# Altium PCB roach2.PcbDoc (part 29 of 39) (continued)
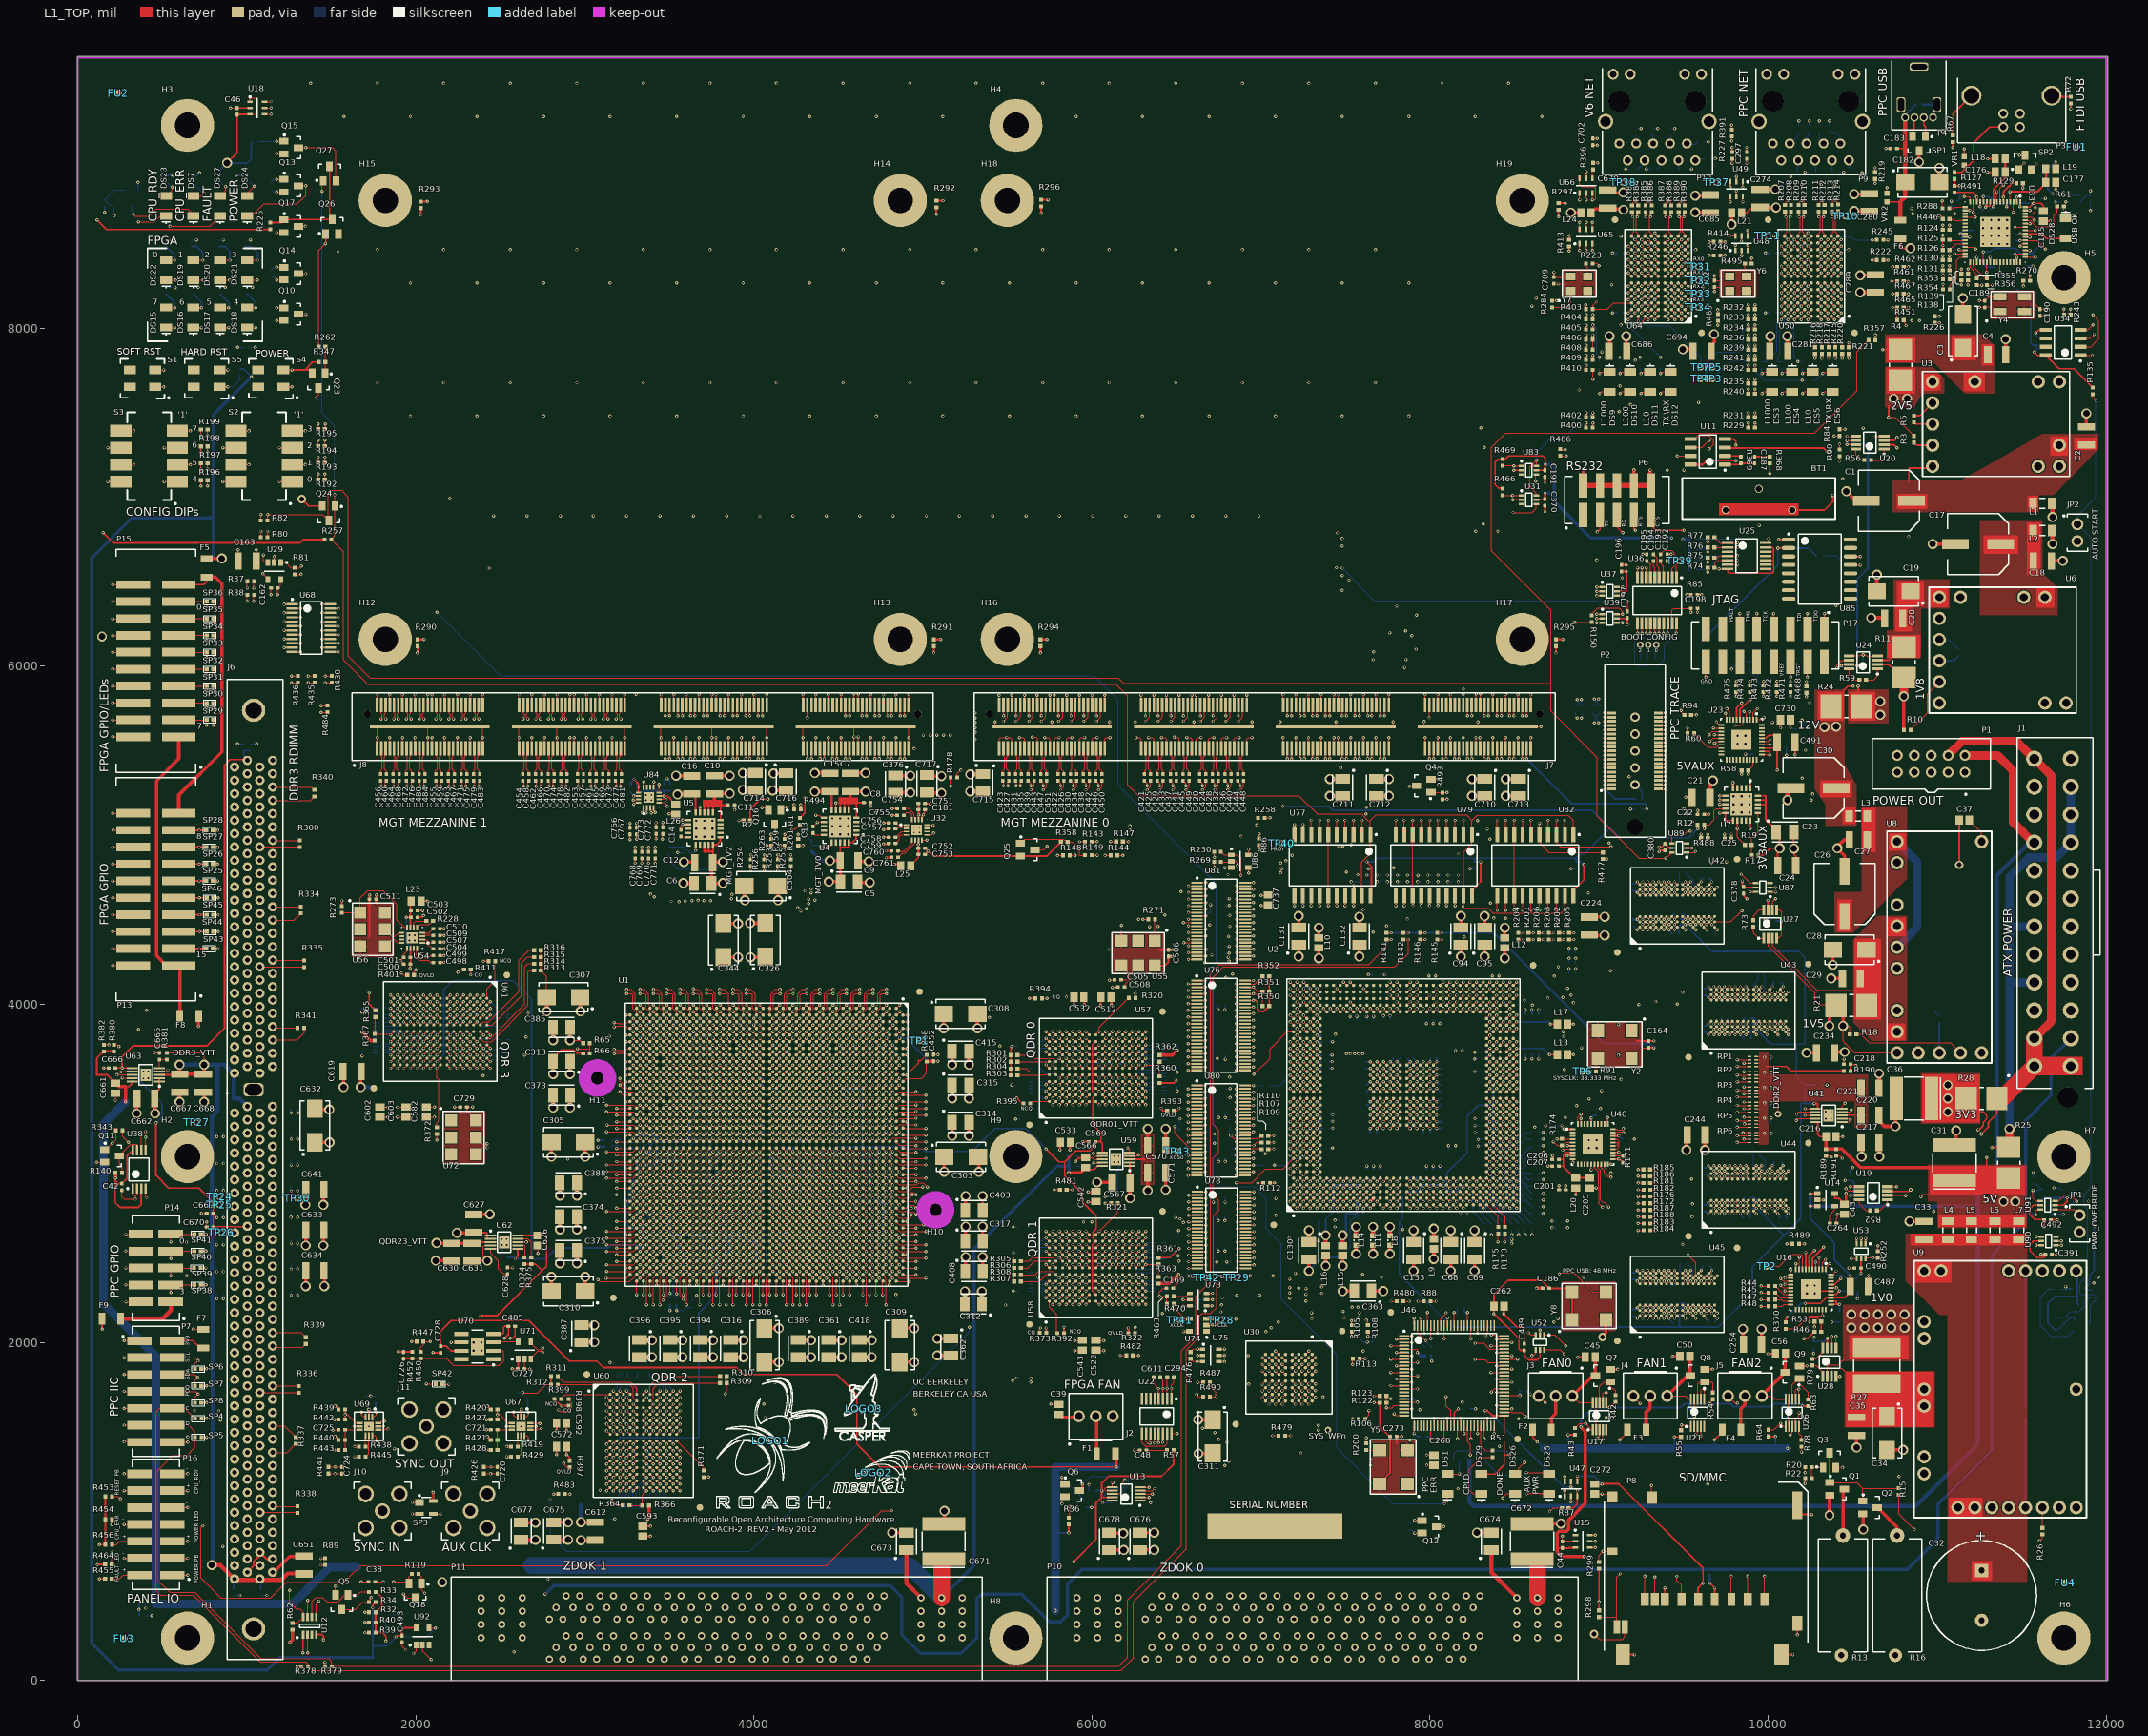
[diagram p0: L1_TOP view]
## Nets (pads, with @x,y where several pads share a name; then routed paths per layer and width w, separated by ;. In a path a pad name is that pad's centre, name@x,y a point inside that pad or via, vN(x,y) a via of type N, cw(c..) or ccw(c..) an arc to the next point about the centre after c; other vN are vias at no path point) (continued)
QDR01_VTT: C553.2 C554.2 C555.2 C556.2 C557.2 C558.2 C560.2 C561.2 C562.2 C563.2 C564.2 C565.2 C568.2 C570.2 C571.2 R114.2 R272.2 R274.2 R275.2 R276.2 R277.2 RP7.5 RP7.6 RP7.7 RP7.8 RP8.5 RP8.6 RP8.7 RP8.8 RP9.5 RP9.6 RP9.7 RP9.8 RP10.5 RP10.6 RP10.7 RP10.8 RP11.5 RP11.6 RP11.7 RP11.8 RP12.5 RP12.6 RP12.7 RP12.8 RP13.5 RP13.6 RP13.7 RP13.8 RP14.5 RP14.6 RP14.7 RP14.8 RP15.5 RP15.6 RP15.7 RP15.8 RP16.5 RP16.6 RP16.7 RP16.8 U59.3 U59.5 | length 2096.2
  L1_TOP w5: v2(6212.6,3149.61) 6223.7,3138.5 U59.5@6223.7,3122.36 6185.35,3122.36 6182.99,3120 6184.72,3118.27 6184.72,3094.08 6195.81,3082.99 U59.3@6223.7,3082.99
  L1_TOP w10: U59.3@6223.7,3082.99 6331.02,3082.99 6338.58,3090.55 ; C571.2@6329.84,3002.99 C571.2@6329.84,3034.96 ; C570.2@6329.84,3131.02 C570.2@6329.84,3162.99
  L1_TOP w20: C571.2@6329.84,3002.99 v5(6329.84,2897.99) v5@6332.99,2894.84 ; C570.2@6329.84,3162.99 v5(6329.84,3262.99)
  L16_BOT w5: 5626.14,2303.46 RP12.5@5653.31,2303.46 ; 5626.14,2323.15 RP12.6@5653.31,2323.15 ; 5626.14,2342.83 RP12.7@5653.31,2342.83 ; 5626.14,2362.52 RP12.8@5653.31,2362.52 ; 5626.14,2412.99 R277.2@5653.31,2412.99 ; 5626.14,2482.99 R276.2@5653.31,2482.99 ; 5626.14,2543.46 RP16.5@5653.31,2543.46 ; 5626.14,2563.15 RP16.6@5653.31,2563.15 ; 5626.14,2582.83 RP16.7@5653.31,2582.83 ; 5626.14,2602.52 RP16.8@5653.31,2602.52 ; 5626.14,3483.46 RP9.5@5653.31,3483.46 ; 5626.14,3503.15 RP9.6@5653.31,3503.15 ; 5626.14,3522.83 RP9.7@5653.31,3522.83 ; 5626.14,3542.52 RP9.8@5653.31,3542.52 ; 5626.14,3622.99 R275.2@5653.31,3622.99 ; 5626.14,3662.99 R272.2@5653.31,3662.99 ; 5626.14,3723.46 RP14.5@5653.31,3723.46 ; 5626.14,3743.15 RP14.6@5653.31,3743.15 ; 5626.14,3762.83 RP14.7@5653.31,3762.83 ; 5626.14,3782.52 RP14.8@5653.31,3782.52 ; C568.2@6152.68,2862.99 6152.68,3029.73 6173.68,3050.73 6173.68,3110.69 v2(6212.6,3149.61) ; RP11.8@6412.68,2303.46 6439.84,2303.46 ; RP11.7@6412.68,2323.15 6439.84,2323.15 ; RP11.6@6412.68,2342.83 6439.84,2342.83 ; RP11.5@6412.68,2362.52 6439.84,2362.52 ; RP15.8@6412.68,2393.46 6439.84,2393.46 ; RP15.7@6412.68,2413.15 6439.84,2413.15 ; RP15.6@6412.68,2432.83 6439.84,2432.83 ; RP15.5@6412.68,2452.52 6439.84,2452.52 ; R274.2@6412.68,2492.99 6439.84,2492.99 ; RP10.8@6412.68,2533.46 6439.84,2533.46 ; RP10.7@6412.68,2553.15 6439.84,2553.15 ; RP10.6@6412.68,2572.83 6439.84,2572.83 ; RP10.5@6412.68,2592.52 6439.84,2592.52 ; RP8.8@6412.68,3473.46 6439.84,3473.46 ; RP8.7@6412.68,3493.15 6439.84,3493.15 ; RP8.6@6412.68,3512.83 6439.84,3512.83 ; RP8.5@6412.68,3532.52 6439.84,3532.52 ; RP13.8@6412.68,3573.46 6439.84,3573.46 ; RP13.7@6412.68,3593.15 6439.84,3593.15 ; RP13.6@6412.68,3612.83 6439.84,3612.83 ; RP13.5@6412.68,3632.52 6439.84,3632.52 ; R114.2@6412.68,3672.99 6439.84,3672.99 ; RP7.8@6412.68,3713.46 6439.84,3713.46 ; RP7.7@6412.68,3733.15 6439.84,3733.15 ; RP7.6@6412.68,3752.83 6439.84,3752.83 ; RP7.5@6412.68,3772.52 6439.84,3772.52
QDR2.A0: RP19.1 U1.AK37 U60.B4 | length 1444.4
  L1_TOP w5: v1(3248.03,1673.23) U60.B4@3267.72,1653.54 ; v1(3719.57,2537.83) U1.AK37@3739.26,2557.52
  L12_S w3.8: v1(3248.03,1673.23) 3231.99,1689.27 3231.99,1753.99 3270.99,1792.99 3270.99,2216.23 3270.9,2216.32 3270.9,2229.34 3270.99,2229.43 3270.99,2268.79 3320.19,2317.99 3539.99,2317.99 3577.69,2355.69 3577.69,2536.13 3595,2553.43 3703.97,2553.43 v1(3719.57,2537.83)
  L16_BOT w5: v1(3248.03,1673.23) 3264.23,1689.43 3264.23,1719.31 3252.52,1731.02 RP19.1@3252.52,1753.31
QDR2.A1: RP24.3 U1.AG34 U60.B8 | length 1612.5
  L1_TOP w5: U60.B8@3425.2,1653.54 v1(3444.88,1673.23) ; v1(3837.68,2655.94) U1.AG34@3857.37,2675.63
  L12_S w3.8: v1(3444.88,1673.23) 3427.12,1690.99 3350.99,1690.99 3328.99,1712.99 3328.99,2225.99 3350.99,2247.99 3390.99,2247.99 3448.99,2305.99 3553.99,2305.99 3585.86,2337.86 3585.86,2504.92 3603.17,2522.23 3726.04,2522.23 3735.17,2531.37 3735.17,2576.16 3759.99,2600.97 3804.78,2600.97 3813.91,2610.11 3813.91,2632.17 v1(3837.68,2655.94)
  L16_BOT w5: v1(3444.88,1673.23) 3463.15,1691.5 RP24.3@3463.15,1753.31
QDR2.A2: R282.1 U1.AL40 U60.C5 | length 1302
  L1_TOP w5: v1(3287.4,1633.86) U60.C5@3307.09,1614.17 ; v1(3680.2,2419.72) U1.AL40@3699.89,2439.41
  L14_S w3.8: v1(3287.4,1633.86) 3335.99,1682.45 3335.99,2051.99 3365.99,2081.99 3624.99,2081.99 3695.8,2152.8 3695.8,2229.34 3684,2241.14 3684,2408.5 3676.49,2416.01 v1(3680.2,2419.72)
  L16_BOT w5: v1(3287.4,1633.86) 3312.99,1659.45 R282.1@3312.99,1753.31
QDR2.A3: R280.1 U1.AK39 U60.C7 | length 2280.4
  L1_TOP w5: U60.C7@3385.83,1614.17 v1(3405.51,1633.86) ; v1(3719.57,2459.09) U1.AK39@3739.26,2478.78
  L12_S w3.8: v1(3405.51,1633.86) 3425.64,1653.99 3591.32,1653.99 3627.32,1689.99 3627.32,1713.99 ; 3627.32,1753.59 3551.72,1753.59 ; 3627.32,1771.19 3551.72,1771.19 ; v1(3719.57,2459.09) 3703.97,2443.49 3672.49,2443.49 3656.43,2427.43 3656.43,2373.89 3644.92,2362.38 3644.92,2288.39 3625.23,2268.7 3625.23,2216.41 3627.32,2214.32 3627.32,1792.99 ; 3547.32,1740.39 ccw(c3551.72,1740.39) 3551.72,1735.99 ; 3547.32,1740.39 cw(c3551.72,1740.39) 3551.72,1744.79 ; 3547.32,1740.39 ccw(c3551.72,1740.39) 3551.72,1735.99 ; 3547.32,1740.39 cw(c3551.72,1740.39) 3551.72,1744.79 ; 3547.32,1757.99 ccw(c3551.72,1757.99) 3551.72,1753.59 ; 3547.32,1757.99 ccw(c3551.72,1757.99) 3551.72,1753.59 ; 3547.32,1757.99 cw(c3551.72,1757.99) 3551.72,1762.39 ; 3547.32,1757.99 cw(c3551.72,1757.99) 3551.72,1762.39 ; 3547.32,1775.59 ccw(c3551.72,1775.59) 3551.72,1771.19 ; 3547.32,1775.59 cw(c3551.72,1775.59) 3551.72,1779.99 ; 3547.32,1775.59 cw(c3551.72,1775.59) 3551.72,1779.99 ; 3547.32,1775.59 ccw(c3551.72,1775.59) 3551.72,1771.19 ; 3551.72,1735.99 3647.79,1735.99 ; 3551.72,1744.79 3647.79,1744.79 ; 3551.72,1753.59 3647.79,1753.59 ; 3551.72,1762.39 3647.79,1762.39 ; 3551.72,1771.19 3647.79,1771.19 ; 3551.72,1779.99 3647.79,1779.99 ; 3575.8,1722.79 ccw(c3580.2,1722.79) 3580.2,1718.39 ; 3575.8,1722.79 cw(c3580.2,1722.79) 3580.2,1727.19 ; 3575.8,1722.79 ccw(c3580.2,1722.79) 3580.2,1718.39 ; 3575.8,1722.79 cw(c3580.2,1722.79) 3580.2,1727.19 ; 3580.2,1718.39 3622.92,1718.39 ; 3580.2,1727.19 3647.79,1727.19 ; 3622.92,1718.39 cw(c3622.92,1713.99) 3627.32,1713.99 ; 3622.92,1718.39 cw(c3622.92,1713.99) 3627.32,1713.99 ; 3627.32,1792.99 ccw(c3631.52,1792.99) 3631.52,1788.79 ; 3627.32,1792.99 ccw(c3631.52,1792.99) 3631.52,1788.79 ; 3631.52,1788.79 3647.79,1788.79 ; 3647.79,1727.19 ccw(c3647.79,1731.59) 3652.19,1731.59 ; 3647.79,1727.19 ccw(c3647.79,1731.59) 3652.19,1731.59 ; 3647.79,1735.99 cw(c3647.79,1731.59) 3652.19,1731.59 ; 3647.79,1735.99 cw(c3647.79,1731.59) 3652.19,1731.59 ; 3647.79,1744.79 ccw(c3647.79,1749.19) 3652.19,1749.19 ; 3647.79,1744.79 ccw(c3647.79,1749.19) 3652.19,1749.19 ; 3647.79,1753.59 cw(c3647.79,1749.19) 3652.19,1749.19 ; 3647.79,1753.59 cw(c3647.79,1749.19) 3652.19,1749.19 ; 3647.79,1762.39 ccw(c3647.79,1766.79) 3652.19,1766.79 ; 3647.79,1762.39 ccw(c3647.79,1766.79) 3652.19,1766.79 ; 3647.79,1771.19 cw(c3647.79,1766.79) 3652.19,1766.79 ; 3647.79,1771.19 cw(c3647.79,1766.79) 3652.19,1766.79 ; 3647.79,1779.99 ccw(c3647.79,1784.39) 3652.19,1784.39 ; 3647.79,1779.99 ccw(c3647.79,1784.39) 3652.19,1784.39 ; 3647.79,1788.79 cw(c3647.79,1784.39) 3652.19,1784.39 ; 3647.79,1788.79 cw(c3647.79,1784.39) 3652.19,1784.39
  L16_BOT w5: R280.1@3382.99,1753.31 3382.99,1656.38 v1(3405.51,1633.86)
QDR2.A4: RP23.2 U1.AJ41 U60.N5 | length 1675.3
  L1_TOP w5: v1(3287.4,1200.79) U60.N5@3307.09,1220.47 ; v2(3758.94,2222.87) 3758.94,2380.35 U1.AJ41@3778.63,2400.04
  L14_S w3.8: v1(3287.4,1200.79) 3287.4,1205.4 3303.99,1221.99 3303.99,1399.78 3364.99,1460.78 3569.46,1460.78 3707.99,1599.31 3707.99,2013.99 3758.94,2064.94 v2(3758.94,2222.87)
  L16_BOT w5: v1(3287.4,1200.79) 3303.6,1184.59 3303.6,1083.13 RP23.2@3303.15,1082.68
QDR2.A5: RP23.3 U1.AH41 U60.N6 | length 1720.5
  L1_TOP w5: U60.N6@3346.46,1220.47 v1(3366.14,1200.79) ; v2(3798.31,2222.87) 3798.31,2380.35 U1.AH41@3818,2400.04
  L14_S w3.8: v1(3366.14,1200.79) 3333.99,1232.94 3333.99,1398.99 3374.99,1439.99 3615.99,1439.99 3745.99,1569.99 3745.99,1829.99 3801.22,1885.22 3801.22,2219.97 v2(3798.31,2222.87)
  L16_BOT w5: RP23.3@3322.83,1082.68 3322.83,1157.48 v1(3366.14,1200.79)
QDR2.A6: RP23.4 U1.AF39 U60.N7 | length 1816.4
  L1_TOP w5: U60.N7@3385.83,1220.47 v1(3405.51,1200.79) ; v1(3877.05,2459.09) U1.AF39@3896.74,2478.78
  L14_S w3.8: v1(3405.51,1200.79) 3386.99,1219.31 3386.99,1419.99 3395.99,1428.99 3624.99,1428.99 3764.99,1568.99 3764.99,1829.99 3822.08,1887.08 3822.08,2268.7 3861.45,2308.07 3861.45,2426.18 3877.05,2441.78 v1(3877.05,2459.09)
  L16_BOT w5: RP23.4@3342.52,1082.68 3342.52,1160.7 3359.43,1177.62 3382.34,1177.62 v1(3405.51,1200.79)
QDR2.A7: RP18.2 U1.AG39 U60.P4 | length 1897.6
  L1_TOP w5: v1(3248.03,1161.42) U60.P4@3267.72,1181.1 ; v1(3837.68,2459.09) U1.AG39@3857.37,2478.78
  L12_S w3.8: v1(3248.03,1161.42) 3258.75,1172.14 3258.75,1172.75 3269.99,1183.99 3269.99,1251.99 3281.93,1263.93 3593.93,1263.93 3785,1455 3785,1889.9 3793.42,1898.32 3793.42,1927.67 3785,1936.09 3785,1989.9 3793.42,1998.32 3793.42,2027.67 3785,2036.09 3785,2087 3789.99,2091.99 ; 3789.99,2089.99 3789.99,2091.99 ; 3796.99,2315.99 3796.99,2317.99 ; v1(3837.68,2459.09) 3818.99,2440.4 3818.99,2399.99 3796.99,2377.99 3796.99,2317.99 ; 3789.99,2091.99 3789.99,2201.86 3782.71,2209.13 3782.71,2229.34 3789.99,2236.61 3789.99,2244.99 3802.03,2257.03 3802.03,2312.95 3796.99,2317.99
  L16_BOT w5: RP18.2@3223.15,1082.68 3224.86,1084.39 3224.86,1138.25 v1(3248.03,1161.42)
QDR2.A8: RP18.4 U1.AJ42 U60.P5 | length 1669.9
  L1_TOP w5: v1(3287.4,1161.42) U60.P5@3307.09,1181.1 ; v2(3778.63,2281.93) U1.AJ42@3778.63,2360.67
  L14_S w3.8: v1(3287.4,1161.42) 3319.99,1194.01 3319.99,1397.99 3372.99,1450.99 3592.99,1450.99 3722.56,1580.56 3722.56,1943.14 3756.99,1977.56 3772.67,1977.56 3793.42,1998.32 3793.42,2027.67 3778.63,2042.46 v2(3778.63,2281.93)
  L16_BOT w5: RP18.4@3262.52,1082.68 3262.52,1100.52 3268.99,1106.99 3268.99,1143.01 v1(3287.4,1161.42)
QDR2.A9: RP17.1 U1.AG41 U60.P7 | length 1657
  L1_TOP w5: U60.P7@3385.83,1181.1 v1(3405.51,1161.42) ; v2(3837.68,2222.87) 3837.68,2380.35 U1.AG41@3857.37,2400.04
  L14_S w3.8: v1(3405.51,1161.42) 3424.99,1180.9 3424.99,1409.99 3431.99,1416.99 3631.99,1416.99 3786.99,1571.99 3786.99,1820.99 3837.68,1871.68 v2(3837.68,2222.87)
  L16_BOT w5: v1(3405.51,1161.42) 3423.46,1143.46 RP17.1@3423.46,1082.68
QDR2.A10: RP17.3 U1.AG36 U60.P8 | length 1912.2
  L1_TOP w5: U60.P8@3425.2,1181.1 v1(3444.88,1161.42) ; v1(3837.68,2577.2) U1.AG36@3857.37,2596.89
  L12_S w3.8: v1(3444.88,1161.42) 3455.65,1172.18 3456.18,1172.18 3464.99,1180.99 3593.99,1180.99 3860,1447 3860,2222.62 3833.99,2248.63 3833.99,2295.99 3892.65,2354.65 3892.65,2583.67 3883.52,2592.8 3870.59,2592.8 3854.99,2577.2 v1(3837.68,2577.2)
  L16_BOT w5: v1(3444.88,1161.42) 3462.83,1143.46 RP17.3@3462.83,1082.68
QDR2.A11: RP24.2 U1.AK42 U60.A9 | length 2185.2
  L1_TOP w5: U60.A9@3464.57,1692.91 v1(3484.25,1712.6) ; v2(3739.26,2281.93) U1.AK42@3739.26,2360.67
  L14_S w3.8: v1(3484.25,1712.6) 3484.25,1808.25 3495.99,1819.99 3499.99,1819.99 ; v2(3739.26,2281.93) 3725.99,2268.66 3725.99,2071.99 3646.99,1992.99 3646.99,1846.99 3645.99,1846.99 3618.99,1819.99 3615.19,1819.99 ; 3499.99,1819.99 ccw(c3499.99,1826.39) 3506.39,1826.39 ; 3499.99,1819.99 ccw(c3499.99,1826.39) 3506.39,1826.39 ; 3506.39,1826.39 3506.39,1893.59 ; 3506.39,1893.59 cw(c3512.79,1893.59) 3512.79,1899.99 ; 3506.39,1893.59 cw(c3512.79,1893.59) 3512.79,1899.99 ; 3512.79,1899.99 cw(c3512.79,1893.59) 3519.19,1893.59 ; 3512.79,1899.99 cw(c3512.79,1893.59) 3519.19,1893.59 ; 3519.19,1746.39 ccw(c3525.59,1746.39) 3525.59,1739.99 ; 3519.19,1746.39 ccw(c3525.59,1746.39) 3525.59,1739.99 ; 3519.19,1746.39 3519.19,1893.59 ; 3525.59,1739.99 ccw(c3525.59,1746.39) 3531.99,1746.39 3531.99,1893.59 ; 3531.99,1893.59 cw(c3538.39,1893.59) 3538.39,1899.99 ; 3531.99,1893.59 cw(c3538.39,1893.59) 3538.39,1899.99 ; 3538.39,1899.99 cw(c3538.39,1893.59) 3544.79,1893.59 ; 3538.39,1899.99 cw(c3538.39,1893.59) 3544.79,1893.59 ; 3544.79,1746.39 ccw(c3551.19,1746.39) 3551.19,1739.99 ; 3544.79,1746.39 ccw(c3551.19,1746.39) 3551.19,1739.99 ; 3544.79,1746.39 3544.79,1893.59 ; 3551.19,1739.99 ccw(c3551.19,1746.39) 3557.59,1746.39 3557.59,1873.58 ; 3557.59,1873.58 cw(c3563.99,1873.58) 3563.99,1879.98 ; 3557.59,1873.58 cw(c3563.99,1873.58) 3563.99,1879.98 ; 3563.99,1879.98 cw(c3563.99,1873.58) 3570.39,1873.58 ; 3563.99,1879.98 cw(c3563.99,1873.58) 3570.39,1873.58 ; 3570.39,1746.39 ccw(c3576.79,1746.39) 3576.79,1739.99 ; 3570.39,1746.39 ccw(c3576.79,1746.39) 3576.79,1739.99 ; 3570.39,1746.39 3570.39,1873.58 ; 3576.79,1739.99 ccw(c3576.79,1746.39) 3583.19,1746.39 3583.19,1872.81 ; 3583.19,1872.81 cw(c3589.59,1872.81) 3589.59,1879.21 ; 3583.19,1872.81 cw(c3589.59,1872.81) 3589.59,1879.21 ; 3589.59,1879.21 cw(c3589.59,1872.81) 3595.99,1872.81 ; 3589.59,1879.21 cw(c3589.59,1872.81) 3595.99,1872.81 ; 3595.99,1746.39 ccw(c3602.39,1746.39) 3602.39,1739.99 ; 3595.99,1746.39 ccw(c3602.39,1746.39) 3602.39,1739.99 ; 3595.99,1746.39 3595.99,1872.81 ; 3602.39,1739.99 ccw(c3602.39,1746.39) 3608.79,1746.39 3608.79,1813.59 ; 3608.79,1813.59 cw(c3615.19,1813.59) 3615.19,1819.99 ; 3608.79,1813.59 cw(c3615.19,1813.59) 3615.19,1819.99
  L16_BOT w5: RP24.2@3482.83,1753.31 3482.83,1714.02 v1(3484.25,1712.6)
QDR2.A12: RP18.1 U1.AJ40 U60.R3 | length 1803
  L1_TOP w5: v1(3208.66,1122.05) U60.R3@3228.35,1141.73 ; v1(3758.94,2419.72) U1.AJ40@3778.63,2439.41
  L12_S w3.8: v1(3208.66,1122.05) 3224.26,1137.65 3224.26,1167.88 3223.99,1168.15 3223.99,1194.06 3224.26,1194.32 3224.26,1207.25 3223.99,1207.52 3223.99,1233.43 3224.26,1233.69 3224.26,1246.62 3223.99,1246.89 3223.99,1272.8 3224.26,1273.06 3224.26,1285.99 3223.99,1286.26 3223.99,1312.17 3224.26,1312.43 3224.26,1325.36 3223.99,1325.63 3223.99,1351.54 3224.26,1351.8 3224.26,1364.73 3223.99,1365 3223.99,1390.91 3224.26,1391.17 3224.26,1404.1 3223.99,1404.37 3223.99,1409.99 3259.99,1445.99 3564.99,1445.99 3709.99,1590.99 3709.99,2200.99 3758.94,2249.94 v1(3758.94,2419.72)
  L16_BOT w5: RP18.1@3203.46,1082.68 3203.46,1099.46 3208.66,1104.66 v1(3208.66,1122.05)
QDR2.A13: RP18.3 U1.AH39 U60.R4 | length 1900.9
  L1_TOP w5: v1(3248.03,1122.05) U60.R4@3267.72,1141.73 ; v1(3798.31,2459.09) U1.AH39@3818,2478.78
  L12_S w3.8: v1(3248.03,1122.05) 3248.03,1136.95 3232.43,1152.55 3232.43,1404.1 3258.32,1429.99 3583.99,1429.99 3739.44,1585.44 3739.44,1881.44 3722.56,1898.32 3722.56,2047.56 3747.99,2072.99 3747.99,2102.99 ; 3747.99,2099.99 3747.99,2102.99 ; v1(3798.31,2459.09) 3798.31,2441.78 3775.99,2419.46 3775.99,2306.63 3794.23,2288.39 3794.23,2266.23 3770.99,2242.99 3770.99,2232.89 3774.54,2229.34 3774.54,2211.54 3747.99,2184.99 3747.99,2102.99
  L16_BOT w5: RP18.3@3242.83,1082.68 3242.83,1097.83 3248.03,1103.03 v1(3248.03,1122.05)
QDR2.A14: RP23.1 U1.AG38 U60.R5 | length 1858.9
  L1_TOP w5: v1(3287.4,1122.05) U60.R5@3307.09,1141.73 ; v1(3837.68,2498.46) U1.AG38@3857.37,2518.15
  L12_S w3.8: v1(3287.4,1122.05) 3311.99,1146.64 3311.99,1179.99 3351.99,1219.99 3595.99,1219.99 3795,1419 3795,1730 3805,1740 3805,2089 3815.99,2099.99 ; 3815.99,2097.99 3815.99,2099.99 ; v1(3837.68,2498.46) 3837.68,2481.15 3853.28,2465.55 3853.28,2340.28 3815.99,2302.99 3815.99,2099.99
  L16_BOT w5: RP23.1@3283.46,1082.68 3283.46,1098.46 3287.4,1102.4 v1(3287.4,1122.05)
QDR2.A15: R278.1 U1.AG42 U60.R7 | length 1612.8
  L1_TOP w5: U60.R7@3385.83,1141.73 v1(3405.51,1122.05) ; v2(3857.37,2281.93) U1.AG42@3857.37,2360.67
  L14_S w3.8: v1(3405.51,1122.05) 3421.46,1137.99 3449.99,1137.99 3463.99,1151.99 3463.99,1366.99 3478.99,1381.99 3638.99,1381.99 3857.37,1600.37 v2(3857.37,2281.93)
  L16_BOT w5: R278.1@3382.99,1082.68 3382.99,1099.53 v1(3405.51,1122.05)
QDR2.A16: RP17.2 U1.AF40 U60.R8 | length 1669.8
  L1_TOP w5: U60.R8@3425.2,1141.73 v1(3444.88,1122.05) ; v1(3877.05,2419.72) U1.AF40@3896.74,2439.41
  L14_S w3.8: v1(3444.88,1122.05) 3462.19,1122.05 3477.79,1137.65 3484.65,1137.65 3504.99,1157.99 3504.99,1328.99 3515.99,1339.99 3635.99,1339.99 3892.65,1596.65 3892.65,2229.34 3877.05,2244.94 v1(3877.05,2419.72)
  L16_BOT w5: RP17.2@3443.15,1082.68 3443.15,1120.31 v1(3444.88,1122.05)
QDR2.A17: RP17.4 U1.AJ35 U60.R9 | length 2045.3
  L1_TOP w5: U60.R9@3464.57,1141.73 v1(3484.25,1122.05) ; v1(3758.94,2616.57) U1.AJ35@3778.63,2636.26
  L12_S w3.8: v1(3484.25,1122.05) 3507.2,1144.99 3599.99,1144.99 3880,1425 3880,1797 3892.65,1809.65 3892.65,2229.34 3875.99,2246 3875.99,2252.99 ; v1(3758.94,2616.57) 3777.36,2634.99 3799.42,2634.99 3822.08,2657.65 3822.08,2662.41 3831.22,2671.54 3883.52,2671.54 3900.82,2654.24 3900.82,2332.82 3875.99,2307.99 3875.99,2252.99 ; 3875.99,2250.99 3875.99,2252.99
  L16_BOT w5: RP17.4@3482.52,1082.68 3482.52,1120.31 v1(3484.25,1122.05)
QDR2.A18: RP19.3 U1.AK38 U60.A3 | length 1331.3
  L1_TOP w5: v1(3208.66,1712.6) U60.A3@3228.35,1692.91 ; v1(3719.57,2498.46) U1.AK38@3739.26,2518.15
  L14_S w3.8: v1(3208.66,1712.6) 3208.66,2367.66 3284.49,2443.49 3686.67,2443.49 3695.8,2452.63 3695.8,2474.69 v1(3719.57,2498.46)
  L16_BOT w5: v1(3208.66,1712.6) 3208.66,1725.66 3213.15,1730.15 RP19.3@3213.15,1753.31
QDR2.A19: RP24.1 U1.AF37 U60.A10 | length 2074
  L1_TOP w5: U60.A10@3503.94,1692.91 v1(3523.62,1712.6) ; v1(3877.05,2537.83) U1.AF37@3896.74,2557.52
  L12_S w3.8: v1(3523.62,1712.6) 3519.99,1716.23 3523.99,1720.23 3523.99,2086.99 ; v1(3877.05,2537.83) 3856.21,2516.99 3751.99,2516.99 3735.17,2500.17 3735.17,2491.82 3734.99,2491.64 3734.99,2484.99 3730.99,2480.99 3632.99,2480.99 3625.23,2473.23 3625.23,2377.23 3604.99,2356.99 3604.99,2251.99 3559.99,2206.99 3531.99,2206.99 3523.99,2198.99 3523.99,2138.99 ; 3443.99,2103.79 ccw(c3448.39,2103.79) 3448.39,2099.39 ; 3443.99,2103.79 ccw(c3448.39,2103.79) 3448.39,2099.39 ; 3443.99,2103.79 cw(c3448.39,2103.79) 3448.39,2108.19 ; 3443.99,2103.79 cw(c3448.39,2103.79) 3448.39,2108.19 ; 3443.99,2121.39 ccw(c3448.39,2121.39) 3448.39,2116.99 ; 3443.99,2121.39 ccw(c3448.39,2121.39) 3448.39,2116.99 ; 3443.99,2121.39 cw(c3448.39,2121.39) 3448.39,2125.79 ; 3443.99,2121.39 cw(c3448.39,2121.39) 3448.39,2125.79 ; 3448.39,2099.39 3599.59,2099.39 ; 3448.39,2108.19 3599.59,2108.19 ; 3448.39,2116.99 3599.59,2116.99 ; 3448.39,2125.79 3599.59,2125.79 ; 3523.99,2086.99 cw(c3527.59,2086.99) 3527.59,2090.59 ; 3523.99,2086.99 cw(c3527.59,2086.99) 3527.59,2090.59 ; 3523.99,2138.99 ccw(c3528.39,2138.99) 3528.39,2134.59 ; 3523.99,2138.99 ccw(c3528.39,2138.99) 3528.39,2134.59 ; 3527.59,2090.59 3599.59,2090.59 ; 3528.39,2134.59 3599.59,2134.59 ; 3599.59,2090.59 ccw(c3599.59,2094.99) 3603.99,2094.99 ; 3599.59,2090.59 ccw(c3599.59,2094.99) 3603.99,2094.99 ; 3599.59,2099.39 cw(c3599.59,2094.99) 3603.99,2094.99 ; 3599.59,2099.39 cw(c3599.59,2094.99) 3603.99,2094.99 ; 3599.59,2108.19 ccw(c3599.59,2112.59) 3603.99,2112.59 ; 3599.59,2108.19 ccw(c3599.59,2112.59) 3603.99,2112.59 ; 3599.59,2116.99 cw(c3599.59,2112.59) 3603.99,2112.59 ; 3599.59,2116.99 cw(c3599.59,2112.59) 3603.99,2112.59 ; 3599.59,2125.79 ccw(c3599.59,2130.19) 3603.99,2130.19 ; 3599.59,2125.79 ccw(c3599.59,2130.19) 3603.99,2130.19 ; 3599.59,2134.59 cw(c3599.59,2130.19) 3603.99,2130.19 ; 3599.59,2134.59 cw(c3599.59,2130.19) 3603.99,2130.19
  L16_BOT w5: RP24.1@3502.52,1753.31 3502.52,1733.7 v1(3523.62,1712.6)
QDR2.A20: RP19.4 U1.AL39 U60.A2 | length 1341.3
  L1_TOP w5: v1(3169.29,1712.6) U60.A2@3188.98,1692.91 ; v1(3680.2,2459.09) U1.AL39@3699.89,2478.78
  L14_S w3.8: v1(3169.29,1712.6) 3169.29,2396.29 3249.32,2476.32 3662.97,2476.32 v1(3680.2,2459.09)
  L16_BOT w5: v1(3169.29,1712.6) 3193.46,1736.77 RP19.4@3193.46,1753.31
QDR2.BWN0: R309.1 U60.B7 | length 490.4
  L1_TOP w5: U60.B7@3385.83,1653.54 3405.51,1673.23 3405.51,1727.52 3437.99,1760 R309.1@3800.32,1760
QDR2.BWN1: R310.1 U60.A7 | length 488.4
  L1_TOP w5: U60.A7@3385.83,1692.6 3385.83,1742.83 3442.99,1800 R310.1@3800.32,1800
QDR2.BWN2: R311.1 U60.A5 | length 532.6
  L1_TOP w5: R311.1@2839.68,1800 2874.68,1765 3270,1765 3307.09,1727.91 U60.A5@3307.09,1692.6
QDR2.BWN3: R312.1 U60.B5 | length 540.6
  L1_TOP w5: R312.1@2839.68,1750 2841.34,1751.65 3263.35,1751.65 3287.4,1727.6 3287.4,1673.23 U60.B5@3307.09,1653.54
QDR2.D0: U1.AA41 U60.P10 | length 1562.3
  L1_TOP w5: U60.P10@3503.94,1181.1 v1(3523.62,1161.42) ; v2(4073.41,2222.29) 4073.41,2379.77 U1.AA41@4093.09,2399.46
  L5_S w3.8: v1(3523.62,1161.42) 3543.05,1141.99 3579.99,1141.99 4020.99,1582.99 4020.99,1921.99 4073.41,1974.41 v2(4073.41,2222.29)
QDR2.D1: U1.AB41 U60.N11 | length 1446.3
  L1_TOP w5: U60.N11@3543.31,1220.47 v1(3562.99,1200.79) ; v2(4034.53,2222.87) 4034.53,2380.35 U1.AB41@4054.22,2400.04
  L5_S w3.8: v1(3562.99,1200.79) 3563.2,1200.99 3589.99,1200.99 3977.99,1588.99 3977.99,1934.99 4034.53,1991.53 v2(4034.53,2222.87)
QDR2.D2: U1.AB36 U60.M11 | length 1699.2
  L1_TOP w5: U60.M11@3543.31,1259.84 v1(3562.99,1240.16) ; v1(4034.53,2577.2) U1.AB36@4054.22,2596.89
  L5_S w3.8: v1(3562.99,1240.16) 3602.16,1240.16 3947.99,1585.99 3947.99,1843.99 3902.56,1889.42 3902.56,1927.67 3925.89,1950.99 3964.99,1950.99 4018.93,2004.93 4018.93,2246.93 4032.99,2260.99 4032.99,2356.99 4067.99,2391.99 4067.99,2543.75 v1(4034.53,2577.2)
QDR2.D3: U1.AB33 U60.K10 | length 1720.6
  L1_TOP w5: U60.K10@3503.94,1338.58 v1(3523.62,1318.9) ; v1(4034.53,2695.31) U1.AB33@4054.22,2715
  L5_S w3.8: v1(3523.62,1318.9) 3539.59,1302.93 3594.93,1302.93 3860,1568 3860,1942 3898.99,1980.99 3898.99,2054.99 3971.39,2127.39 3971.39,2241.39 3991.08,2261.08 3991.08,2288.39 3975.99,2303.48 3975.99,2374.99 4010.76,2409.76 4010.76,2502.99 4018.93,2511.16 4018.93,2679.71 v1(4034.53,2695.31)
QDR2.D4: U1.AD42 U60.J11 | length 1233.1
  L1_TOP w5: U60.J11@3543.31,1377.95 v1(3562.99,1358.27) ; v2(3975.48,2281.93) U1.AD42@3975.48,2360.67
  L5_S w3.8: v1(3562.99,1358.27) 3563.27,1357.99 3605.99,1357.99 3783.49,1535.49 3783.49,1837.49 3809.99,1863.99 3809.99,1938.99 3865.99,1994.99 3865.99,2067.99 3940.19,2142.19 3940.19,2236.19 3949.99,2245.99 3960.99,2245.99 3975.48,2260.48 v2(3975.48,2281.93)
QDR2.D5: U1.AB32 U60.G11 | length 1596.4
  L1_TOP w5: U60.G11@3543.31,1456.69 v1(3562.99,1476.38) ; v1(4034.53,2734.68) U1.AB32@4054.22,2754.37
  L5_S w3.8: v1(3562.99,1476.38) 3703.38,1476.38 3761.99,1534.99 3761.99,1860.99 3798.99,1897.99 3798.99,1946.99 3847.99,1995.99 3847.99,2070.99 3927.99,2150.99 3927.99,2246.99 3951.71,2270.71 3951.71,2300.71 3961.99,2310.99 3961.99,2383.99 3979.56,2401.56 3979.56,2504.92 3988.7,2514.06 3997.06,2514.06 4010.76,2527.76 4010.76,2710.91 v1(4034.53,2734.68)
QDR2.D6: U1.AE40 U60.E10 | length 1286.5
  L1_TOP w5: U60.E10@3503.94,1535.43 v1(3523.62,1555.12) ; v1(3916.42,2419.72) U1.AE40@3936.11,2439.41
  L5_S w3.8: v1(3523.62,1555.12) 3539.22,1539.52 3569.46,1539.52 3582.93,1552.99 3666.99,1552.99 3709.99,1595.99 3709.99,1803.99 3660.99,1852.99 3660.99,1948.99 3689.56,1977.56 3772.67,1977.56 3793.42,1998.32 3793.42,2028.04 3793.04,2028.42 3793.04,2079.04 3839.99,2125.99 ; 3841.99,2127.99 3839.99,2125.99 ; v1(3916.42,2419.72) 3916.42,2402.41 3932.02,2386.81 3932.02,2371.02 3876.99,2315.99 3876.99,2244.87 3861.45,2229.34 3861.45,2147.45 3839.99,2125.99
QDR2.D7: U1.AD37 U60.D11 | length 1299.9
  L1_TOP w5: U60.D11@3543.31,1574.8 v1(3562.99,1594.49) ; v1(3955.79,2537.83) U1.AD37@3975.48,2557.52
  L5_S w3.8: v1(3562.99,1594.49) 3563.49,1593.99 3605.99,1593.99 3620.99,1578.99 3659.99,1578.99 3684.99,1603.99 3684.99,1785.99 3646.99,1823.99 3646.99,1956.99 3833.99,2143.99 3833.99,2197.12 3853.28,2216.41 3853.28,2229.34 3835.99,2246.63 3835.99,2282.61 3865.99,2312.61 3865.99,2322.49 3900.82,2357.32 3900.82,2506.07 3916.99,2522.23 3940.19,2522.23 v1(3955.79,2537.83)
QDR2.D8: U1.AC33 U60.C11 | length 1341.6
  L1_TOP w5: U60.C11@3543.31,1614.17 v1(3562.99,1633.86) ; v1(3995.16,2695.31) U1.AC33@4014.85,2715
  L5_S w3.8: v1(3562.99,1633.86) 3563.13,1633.99 3593.99,1633.99 3613.42,1653.42 3613.42,1968.42 3795.99,2150.99 3795.99,2198.49 3813.91,2216.41 3813.91,2302.41 3861.45,2349.95 3861.45,2544.3 3878.76,2561.6 3883.52,2561.6 3892.65,2570.74 3892.65,2599.08 3900.45,2606.88 3900.45,2623.81 3916.99,2640.34 3922.89,2640.34 3932.02,2649.48 3932.02,2654.24 3953.28,2675.49 3975.34,2675.49 v1(3995.16,2695.31) v1@3986.99,2695.31
QDR2.D9: U1.AA42 U60.N10 | length 1491.6
  L1_TOP w5: U60.N10@3503.94,1220.47 v1(3523.62,1200.79) ; v2(4093.59,2281.93) U1.AA42@4093.59,2360.67
  L5_S w3.8: v1(3523.62,1200.79) 3533.99,1190.42 3533.99,1188.99 3539.99,1182.99 3594.99,1182.99 3999.99,1587.99 3999.99,1930.99 4053.99,1984.99 4053.99,2242.33 v2(4093.59,2281.93)
QDR2.D10: U1.AB39 U60.M9 | length 1638.3
  L1_TOP w5: U60.M9@3464.57,1259.84 v1(3484.25,1240.16) ; v1(4034.53,2459.09) U1.AB39@4054.22,2478.78
  L5_S w3.8: v1(3484.25,1240.16) 3505.09,1260.99 3598.99,1260.99 3927.99,1589.99 3927.99,1835.99 3884.49,1879.49 3884.49,1929.49 3920.99,1965.99 3958.99,1965.99 3998.99,2005.99 3998.99,2202.99 4010.76,2214.76 4010.76,2290.77 3999.25,2302.28 3999.25,2352.25 4050.13,2403.13 4050.13,2426.18 4034.53,2441.78 v1(4034.53,2459.09)
QDR2.D11: U1.AB38 U60.L9 | length 1616.9
  L1_TOP w5: U60.L9@3464.57,1299.21 v1(3484.25,1279.53) ; v1(4034.53,2498.46) U1.AB38@4054.22,2518.15
  L5_S w3.8: v1(3484.25,1279.53) 3499.85,1295.13 3610.13,1295.13 3888.99,1573.99 3888.99,1823.99 3870,1842.98 3870,1930 3917.56,1977.56 3952.67,1977.56 3981.99,2006.89 3981.99,2211.56 3979.56,2213.98 3979.56,2234.56 3998.88,2253.88 3998.88,2291.62 3985.01,2305.49 3985.01,2372.98 4018.56,2406.53 4018.56,2482.49 v1(4034.53,2498.46)
QDR2.D12: U1.AD41 U60.J9 | length 1377.4
  L1_TOP w5: U60.J9@3464.57,1377.95 v1(3484.25,1358.27) ; v2(3955.79,2222.87) 3955.79,2380.35 U1.AD41@3975.48,2400.04
  L5_S w3.8: v1(3484.25,1358.27) 3508.02,1334.5 3601.5,1334.5 3795,1528 3795,1816 3822.99,1843.99 3822.99,1929.99 3881.99,1988.99 3881.99,2063.99 3955.79,2137.79 3955.79,2179.99 ; 3955.79,2177.99 3955.79,2179.99 ; v2(3955.79,2222.87) 3955.79,2179.99
QDR2.D13: U1.AC36 U60.G10 | length 1521.4
  L1_TOP w5: U60.G10@3503.94,1456.69 v1(3523.62,1476.38) ; v1(3995.16,2577.2) U1.AC36@4014.85,2596.89
  L5_S w3.8: v1(3523.62,1476.38) 3543.24,1495.99 3686.99,1495.99 3739.99,1548.99 3739.99,1824.99 3689.99,1874.99 3689.99,1933.99 3708.99,1952.99 3783.99,1952.99 3825.99,1994.99 3825.99,2069.99 3912.99,2156.99 3912.99,2253.99 3920.51,2261.51 3920.51,2295.51 3952.99,2327.99 3952.99,2394.86 3971.39,2413.26 3971.39,2553.43 v1(3995.16,2577.2)
QDR2.D14: U1.AE39 U60.F9 | length 1393.6
  L1_TOP w5: U60.F9@3464.57,1496.06 v1(3484.25,1515.75) ; v1(3916.42,2459.09) U1.AE39@3936.11,2478.78
  L5_S w3.8: v1(3484.25,1515.75) 3499.85,1531.35 3669.35,1531.35 3724.99,1586.99 3724.99,1813.99 3673.99,1864.99 3673.99,1941.99 3697.99,1965.99 3778.99,1965.99 3810.99,1997.99 3810.99,2075.99 3876.99,2141.99 3876.99,2190.99 3893.99,2207.99 3893.99,2254.99 3912.34,2273.34 3912.34,2295.64 3903.99,2303.99 3903.99,2323.99 3940.19,2360.19 3940.19,2435.32 v1(3916.42,2459.09)
QDR2.D15: U1.AD36 U60.D10 | length 1278
  L1_TOP w5: U60.D10@3503.94,1574.8 v1(3523.62,1594.49) ; v1(3955.79,2577.2) U1.AD36@3975.48,2596.89
  L5_S w3.8: v1(3523.62,1594.49) 3535.99,1606.86 3535.99,1606.99 3543.99,1614.99 3602.99,1614.99 3628.99,1640.99 3628.99,1962.99 3826.19,2160.19 3826.19,2206.2 3822.08,2210.3 3822.08,2229.34 3828.19,2235.44 3828.19,2295.72 3892.65,2360.18 3892.65,2552.65 3898.99,2558.99 3937.58,2558.99 v1(3955.79,2577.2)
QDR2.D16: U1.AE34 U60.C9 | length 1328.8
  L1_TOP w5: U60.C9@3464.57,1614.17 v1(3484.25,1633.86) ; v1(3916.42,2655.94) U1.AE34@3936.11,2675.63
  L5_S w3.8: v1(3484.25,1633.86) 3508.02,1657.63 3530.08,1657.63 3540.99,1668.54 3540.99,1716.99 3593.99,1769.99 3593.99,1838.99 3540.99,1891.99 3540.99,1936.99 3566.99,1962.99 3586.99,1962.99 3773.99,2149.99 3773.99,2195.99 3782.71,2204.71 3782.71,2229.34 3794.23,2240.85 3794.23,2281.99 3802.4,2290.16 3802.4,2362.38 3853.28,2413.26 3853.28,2576.62 3877.64,2600.97 3883.52,2600.97 3892.65,2610.11 3892.65,2632.17 v1(3916.42,2655.94)
QDR2.D17: U1.AG37 U60.B9 | length 1223
  L1_TOP w5: U60.B9@3464.57,1653.54 v1(3484.25,1673.23) ; v1(3837.68,2537.83) U1.AG37@3857.37,2557.52
  L5_S w3.8: v1(3484.25,1673.23) 3461.99,1695.49 3461.99,1724.99 3473.99,1736.99 3517.99,1736.99 3568.99,1787.99 3568.99,1824.99 3522.99,1870.99 3522.99,2029.99 3543.99,2050.99 3653.99,2050.99 3756.99,2153.99 3756.99,2198.86 3774.54,2216.41 3774.54,2254.81 3763.03,2266.33 3763.03,2291.03 3789.79,2317.79 3789.79,2369.79 3822.08,2402.08 3822.08,2504.92 3837.68,2520.52 v1(3837.68,2537.83)